# Altium PCB UZ_A_MAX11331_Daughter.PcbDoc (part 6 of 7)
Units mil, origin at the board's own origin, x right, y up, seen from the top; angles counter-clockwise.
Board outline 6811.03 x 3937.01 mil, 6 copper layers (Top Layer, GND, Signal 1, Signal 2, VCC, Bottom Layer), stack 32.112 mil thick; 537 components, 329 nets, 1705 pads, 572 vias.
Unrouted connection lines stored in the file: 272.
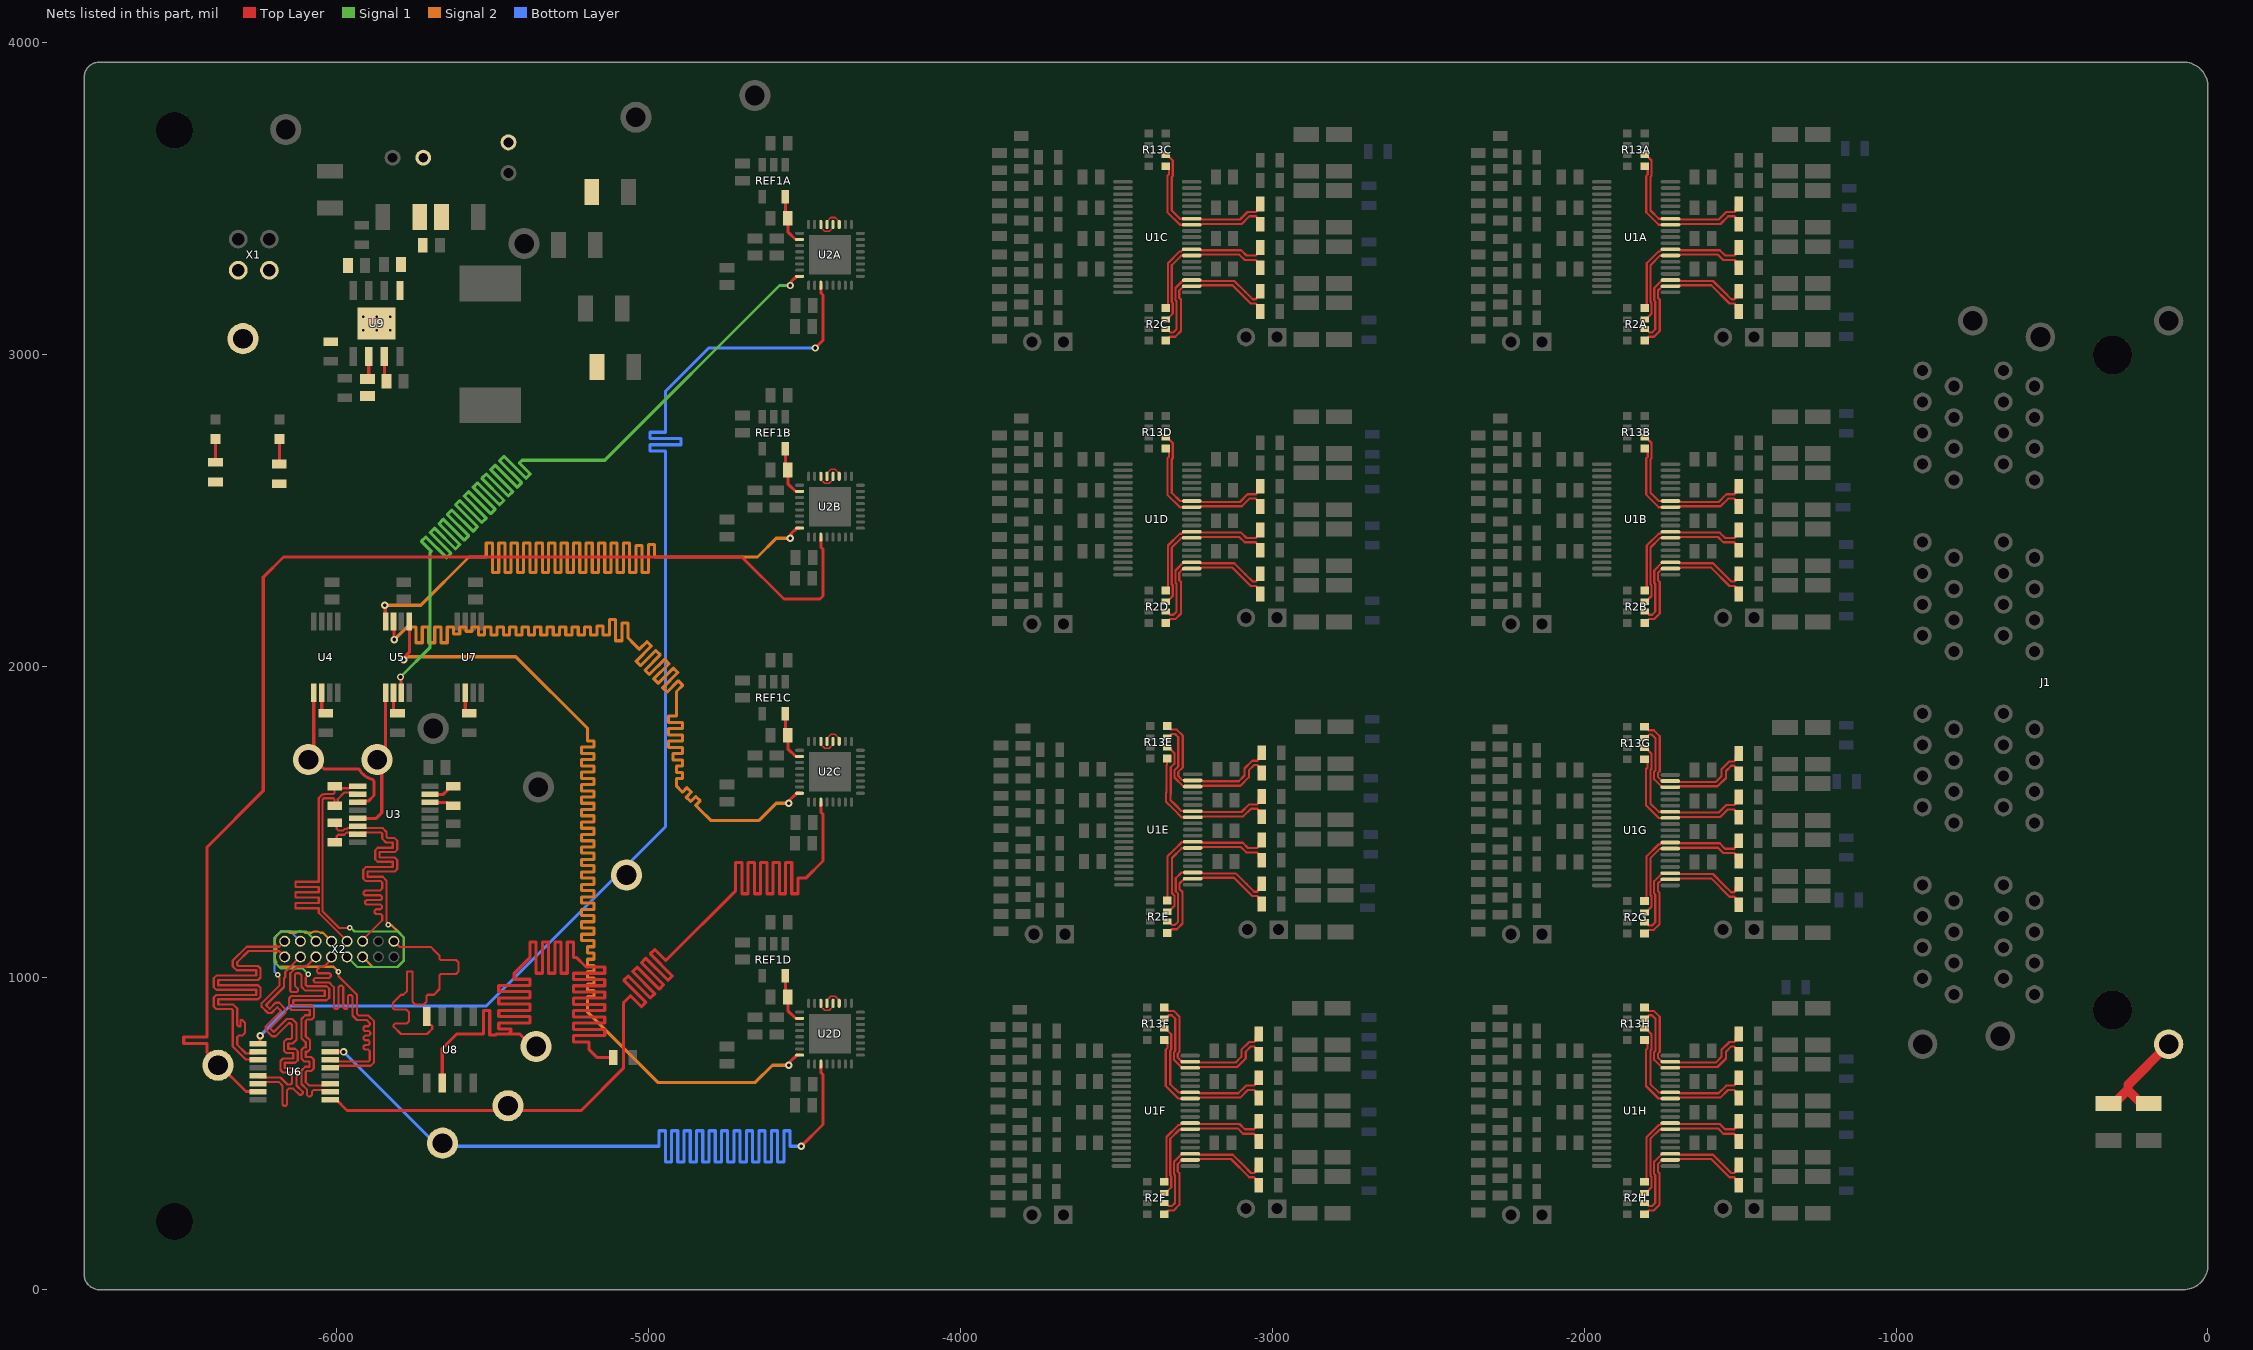
[diagram p10: the nets of this part, all layers, seen from the top]

## Via types
v1: diameter 17.72, hole 7.87, Top Layer to Bottom Layer, tented both sides, 359 vias
v2: diameter 23.62, hole 11.81, Top Layer to Bottom Layer, tented both sides, 171 vias
v3: diameter 27.56, hole 11.81, Top Layer to Bottom Layer, tented bottom, 32 vias
v4: diameter 19.68, hole 7.87, Top Layer to Bottom Layer, tented bottom, 6 vias
v5: diameter 51.18, hole 27.56, Top Layer to Bottom Layer, 4 vias

## Nets (pads, with @x,y where several pads share a name; then routed paths per layer and width w, separated by ;. In a path a pad name is that pad's centre, name@x,y a point inside that pad or via, vN(x,y) a via of type N, cw(c..) or ccw(c..) an arc to the next point about the centre after c; other vN are vias at no path point) (continued)
FB1E_N: R13E.3 R20E.1 U1E.17 | length 529
  Top Layer w7: R13E.3@-3336.82,1771.1 -3332.88,1771.1 -3326.54,1777.44 -3326.54,1778.21 -3322.44,1782.31 -3312.54,1782.31 -3301.85,1771.62 -3301.85,1678.15 -3314,1666 -3314,1642.41 -3286.13,1614.54 -3254.82,1614.54 -3253.9,1613.62 -3227,1613.62 -3224.16,1616.46 -3102.46,1616.46 -3075.6,1643.32 -3075.6,1665.59 -3058.65,1682.55 -3048.75,1682.55 -3044.65,1678.45 -3044.65,1667.33 R20E.1@-3034.37,1657.05
FB1E_P: R13E.4 R23E.1 U1E.18 | length 529.5
  Top Layer w7: R13E.4@-3336.82,1807.52 -3335.64,1807.52 -3324.43,1796.31 -3306.74,1796.31 -3287.85,1777.42 -3287.85,1675 -3302,1660.85 -3302,1647.38 -3288.85,1634.23 -3256.85,1634.23 U1E.18@-3255.93,1633.31 -3227,1633.31 -3224.16,1630.46 -3108.26,1630.46 -3089.6,1649.12 -3089.6,1671.39 -3064.45,1696.55 -3048.75,1696.55 -3044.65,1700.65 -3044.65,1711.77 R23E.1@-3034.37,1722.05
FB1F_N: R13F.3 R20F.1 U1F.17 | length 519.3
  Top Layer w7: R13F.3@-3346.86,869.06 -3342.93,869.06 -3336.58,875.4 -3336.58,876.16 -3332.48,880.26 -3322.58,880.26 -3311.9,869.57 -3311.9,765.93 -3315.94,761.88 -3315.94,737.29 -3290.22,711.57 U1F.17@-3263.94,711.57 -3237.05,711.57 -3234.21,714.42 -3112.51,714.42 -3085.65,741.27 -3085.65,763.54 -3068.69,780.5 -3058.8,780.5 -3054.69,776.4 -3054.69,765.28 R20F.1@-3044.42,755
FB1F_P: R13F.4 R23F.1 U1F.18 | length 518.2
  Top Layer w7: R13F.4@-3346.86,905.47 -3345.68,905.47 -3334.47,894.26 -3316.79,894.26 -3297.9,875.37 -3297.9,762.96 -3303.94,756.91 -3303.94,744.98 -3290.22,731.26 U1F.18@-3263.94,731.26 -3237.05,731.26 -3234.21,728.42 -3118.31,728.42 -3099.65,747.07 -3099.65,769.34 -3074.49,794.5 -3058.8,794.5 -3054.69,798.6 -3054.69,809.72 R23F.1@-3044.42,820
FB1G_N: R13G.3 R20G.1 U1G.17 | length 519.3
  Top Layer w7: R13G.3@-1806.86,1769.06 -1802.93,1769.06 -1796.58,1775.4 -1796.58,1776.16 -1792.48,1780.26 -1782.58,1780.26 -1771.9,1769.57 -1771.9,1665.93 -1775.94,1661.88 -1775.94,1637.29 -1750.22,1611.57 U1G.17@-1723.94,1611.57 -1697.05,1611.57 -1694.21,1614.42 -1572.51,1614.42 -1545.65,1641.27 -1545.65,1663.54 -1528.69,1680.5 -1518.8,1680.5 -1514.69,1676.4 -1514.69,1665.28 R20G.1@-1504.42,1655
FB1G_P: R13G.4 R23G.1 U1G.18 | length 518.2
  Top Layer w7: R13G.4@-1806.86,1805.47 -1805.68,1805.47 -1794.47,1794.26 -1776.79,1794.26 -1757.9,1775.37 -1757.9,1662.96 -1763.94,1656.91 -1763.94,1644.98 -1750.22,1631.26 U1G.18@-1723.94,1631.26 -1697.05,1631.26 -1694.21,1628.42 -1578.31,1628.42 -1559.65,1647.07 -1559.65,1669.34 -1534.49,1694.5 -1518.8,1694.5 -1514.69,1698.6 -1514.69,1709.72 R23G.1@-1504.42,1720
FB1H_N: R13H.3 R20H.1 U1H.17 | length 519.3
  Top Layer w7: R13H.3@-1806.86,869.06 -1802.93,869.06 -1796.58,875.4 -1796.58,876.16 -1792.48,880.26 -1782.58,880.26 -1771.9,869.57 -1771.9,765.93 -1775.94,761.88 -1775.94,737.29 -1750.22,711.57 U1H.17@-1723.94,711.57 -1697.05,711.57 -1694.21,714.42 -1572.51,714.42 -1545.65,741.27 -1545.65,763.54 -1528.69,780.5 -1518.8,780.5 -1514.69,776.4 -1514.69,765.28 R20H.1@-1504.42,755
FB1H_P: R13H.4 R23H.1 U1H.18 | length 518.2
  Top Layer w7: R13H.4@-1806.86,905.47 -1805.68,905.47 -1794.47,894.26 -1776.79,894.26 -1757.9,875.37 -1757.9,762.96 -1763.94,756.91 -1763.94,744.98 -1750.22,731.26 U1H.18@-1723.94,731.26 -1697.05,731.26 -1694.21,728.42 -1578.31,728.42 -1559.65,747.07 -1559.65,769.34 -1534.49,794.5 -1518.8,794.5 -1514.69,798.6 -1514.69,809.72 R23H.1@-1504.42,820
FB2A_N: R13A.1 R15A.1 U1A.12 | length 497
  Top Layer w7: R13A.1@-1806.39,3603.19 -1805.52,3603.19 -1796.42,3594.09 -1796.42,3576.91 -1801.47,3571.87 -1801.47,3455.49 -1761.18,3415.2 -1696.58,3415.2 -1693.74,3418.04 -1563.08,3418.04 -1538.57,3442.55 -1518.32,3442.55 -1514.22,3438.45 -1514.22,3427.33 R15A.1@-1503.94,3417.05
FB2A_P: R13A.2 R18A.1 U1A.13 | length 514.1
  Top Layer w7: R13A.2@-1806.39,3639.61 -1802.45,3639.61 -1784.11,3621.26 -1784.11,3572.25 -1787.47,3568.9 -1787.47,3461.29 -1761.06,3434.88 -1696.58,3434.88 -1693.74,3432.04 -1568.88,3432.04 -1544.37,3456.55 -1518.32,3456.55 -1514.22,3460.65 -1514.22,3471.77 R18A.1@-1503.94,3482.05
FB2B_N: R13B.1 R15B.1 U1B.12 | length 497
  Top Layer w7: R13B.1@-1806.39,2697.68 -1805.52,2697.68 -1796.42,2688.58 -1796.42,2671.4 -1801.47,2666.36 -1801.47,2549.98 -1761.18,2509.68 -1696.58,2509.68 -1693.74,2512.53 -1563.08,2512.53 -1538.57,2537.04 -1518.32,2537.04 -1514.22,2532.93 -1514.22,2521.82 R15B.1@-1503.94,2511.54
FB2B_P: R13B.2 R18B.1 U1B.13 | length 514.1
  Top Layer w7: R13B.2@-1806.39,2734.09 -1802.45,2734.09 -1784.11,2715.75 -1784.11,2666.74 -1787.47,2663.39 -1787.47,2555.78 -1761.06,2529.37 -1696.58,2529.37 -1693.74,2526.53 -1568.88,2526.53 -1544.37,2551.04 -1518.32,2551.04 -1514.22,2555.14 -1514.22,2566.26 R18B.1@-1503.94,2576.54
FB2C_N: R13C.1 R15C.1 U1C.12 | length 497
  Top Layer w7: R13C.1@-3341.82,3603.19 -3340.95,3603.19 -3331.86,3594.09 -3331.86,3576.91 -3336.9,3571.87 -3336.9,3455.49 -3296.61,3415.2 -3232.01,3415.2 -3229.17,3418.04 -3098.51,3418.04 -3074,3442.55 -3053.76,3442.55 -3049.66,3438.45 -3049.66,3427.33 R15C.1@-3039.38,3417.05
FB2C_P: R13C.2 R18C.1 U1C.13 | length 514.1
  Top Layer w7: R13C.2@-3341.82,3639.61 -3337.89,3639.61 -3319.55,3621.26 -3319.55,3572.25 -3322.9,3568.9 -3322.9,3461.29 -3296.49,3434.88 -3232.01,3434.88 -3229.17,3432.04 -3104.31,3432.04 -3079.8,3456.55 -3053.76,3456.55 -3049.66,3460.65 -3049.66,3471.77 R18C.1@-3039.38,3482.05
FB2D_N: R13D.1 R15D.1 U1D.12 | length 497
  Top Layer w7: R13D.1@-3341.82,2697.68 -3340.95,2697.68 -3331.86,2688.58 -3331.86,2671.4 -3336.9,2666.36 -3336.9,2549.98 -3296.61,2509.68 -3232.01,2509.68 -3229.17,2512.53 -3098.51,2512.53 -3074,2537.04 -3053.76,2537.04 -3049.66,2532.93 -3049.66,2521.82 R15D.1@-3039.38,2511.54
FB2D_P: R13D.2 R18D.1 U1D.13 | length 514.1
  Top Layer w7: R13D.2@-3341.82,2734.09 -3337.89,2734.09 -3319.55,2715.75 -3319.55,2666.74 -3322.9,2663.39 -3322.9,2555.78 -3296.49,2529.37 -3232.01,2529.37 -3229.17,2526.53 -3104.31,2526.53 -3079.8,2551.04 -3053.76,2551.04 -3049.66,2555.14 -3049.66,2566.26 R18D.1@-3039.38,2576.54
FB2E_N: R13E.1 R15E.1 U1E.12 | length 496.1
  Top Layer w7: R13E.1@-3336.82,1703.19 -3338,1702.01 -3338,1683.41 -3340,1681.41 -3340,1596.42 -3341.36,1595.06 -3341.36,1564.94 -3320.06,1543.64 ; -3320.04,1543.64 -3291.6,1515.2 -3227,1515.2 -3224.16,1518.04 -3093.5,1518.04 -3068.99,1542.55 -3048.75,1542.55 -3044.65,1538.45 -3044.65,1527.33 R15E.1@-3034.37,1517.05
FB2E_P: R13E.2 R18E.1 U1E.13 | length 522
  Top Layer w7: R13E.2@-3336.82,1739.61 -3332.88,1739.61 -3314.54,1721.26 -3314.54,1687.07 -3326,1675.61 -3326,1590.62 -3327.36,1589.26 -3327.36,1570.74 -3314.26,1557.64 ; -3314.25,1557.64 -3291.49,1534.88 -3227,1534.88 -3224.16,1532.04 -3099.3,1532.04 -3074.79,1556.55 -3048.75,1556.55 -3044.65,1560.65 -3044.65,1571.77 R18E.1@-3034.37,1582.05
FB2F_N: R13F.1 R15F.1 U1F.12 | length 497
  Top Layer w7: R13F.1@-3346.86,801.14 -3345.99,801.14 -3336.9,792.04 -3336.9,774.87 -3341.94,769.82 -3341.94,653.44 -3301.65,613.15 -3237.05,613.15 -3234.21,615.99 -3103.55,615.99 -3079.04,640.5 -3058.8,640.5 -3054.69,636.4 -3054.69,625.28 R15F.1@-3044.42,615
FB2F_P: R13F.2 R18F.1 U1F.13 | length 514.1
  Top Layer w7: R13F.2@-3346.86,837.56 -3342.93,837.56 -3324.58,819.22 -3324.58,770.21 -3327.94,766.85 -3327.94,659.24 -3301.53,632.83 -3237.05,632.83 -3234.21,629.99 -3109.35,629.99 -3084.84,654.5 -3058.8,654.5 -3054.69,658.6 -3054.69,669.72 R18F.1@-3044.42,680
FB2G_N: R13G.1 R15G.1 U1G.12 | length 497
  Top Layer w7: R13G.1@-1806.86,1701.14 -1805.99,1701.14 -1796.9,1692.04 -1796.9,1674.87 -1801.94,1669.82 -1801.94,1553.44 -1761.65,1513.15 -1697.05,1513.15 -1694.21,1515.99 -1563.55,1515.99 -1539.04,1540.5 -1518.8,1540.5 -1514.69,1536.4 -1514.69,1525.28 R15G.1@-1504.42,1515
FB2G_P: R13G.2 R18G.1 U1G.13 | length 514.1
  Top Layer w7: R13G.2@-1806.86,1737.56 -1802.93,1737.56 -1784.58,1719.22 -1784.58,1670.21 -1787.94,1666.85 -1787.94,1559.24 -1761.53,1532.83 -1697.05,1532.83 -1694.21,1529.99 -1569.35,1529.99 -1544.84,1554.5 -1518.8,1554.5 -1514.69,1558.6 -1514.69,1569.72 R18G.1@-1504.42,1580
FB2H_N: R13H.1 R15H.1 U1H.12 | length 497
  Top Layer w7: R13H.1@-1806.86,801.14 -1805.99,801.14 -1796.9,792.04 -1796.9,774.87 -1801.94,769.82 -1801.94,653.44 -1761.65,613.15 -1697.05,613.15 -1694.21,615.99 -1563.55,615.99 -1539.04,640.5 -1518.8,640.5 -1514.69,636.4 -1514.69,625.28 R15H.1@-1504.42,615
FB2H_P: R13H.2 R18H.1 U1H.13 | length 514.1
  Top Layer w7: R13H.2@-1806.86,837.56 -1802.93,837.56 -1784.58,819.22 -1784.58,770.21 -1787.94,766.85 -1787.94,659.24 -1761.53,632.83 -1697.05,632.83 -1694.21,629.99 -1569.35,629.99 -1544.84,654.5 -1518.8,654.5 -1514.69,658.6 -1514.69,669.72 R18H.1@-1504.42,680
FB3A_N: R2A.3 R9A.1 U1A.7 | length 508.4
  Top Layer w7: R2A.3@-1806.39,3112.05 -1802.45,3112.05 -1784.11,3130.39 -1784.11,3164.58 -1787.47,3167.94 -1787.47,3285.95 -1757.45,3315.96 -1724.28,3315.96 U1A.7@-1723.47,3316.77 -1696.58,3316.77 -1693.74,3319.61 -1570.86,3319.61 -1553.79,3302.55 -1518.32,3302.55 -1514.22,3298.45 -1514.22,3287.33 R9A.1@-1503.94,3277.05
FB3A_P: R2A.4 R12A.1 U1A.8 | length 485.6
  Top Layer w7: R2A.4@-1806.39,3148.46 -1799.47,3155.39 -1799.47,3291.96 -1761.46,3329.96 -1756.86,3329.96 -1750.36,3336.46 U1A.8@-1723.47,3336.46 -1696.58,3336.46 -1693.74,3333.61 -1565.06,3333.61 -1547.99,3316.55 -1518.32,3316.55 -1514.22,3320.65 -1514.22,3331.77 R12A.1@-1503.94,3342.05
FB3B_N: R2B.3 R9B.1 U1B.7 | length 508.4
  Top Layer w7: R2B.3@-1806.39,2206.54 -1802.45,2206.54 -1784.11,2224.88 -1784.11,2259.07 -1787.47,2262.43 -1787.47,2380.44 -1757.45,2410.45 -1724.28,2410.45 U1B.7@-1723.47,2411.26 -1696.58,2411.26 -1693.74,2414.1 -1570.86,2414.1 -1553.79,2397.04 -1518.32,2397.04 -1514.22,2392.93 -1514.22,2381.82 R9B.1@-1503.94,2371.54
FB3B_P: R2B.4 R12B.1 U1B.8 | length 485.6
  Top Layer w7: R2B.4@-1806.39,2242.95 -1799.47,2249.88 -1799.47,2386.44 -1761.46,2424.45 -1756.86,2424.45 -1750.36,2430.94 U1B.8@-1723.47,2430.94 -1696.58,2430.94 -1693.74,2428.1 -1565.06,2428.1 -1547.99,2411.04 -1518.32,2411.04 -1514.22,2415.14 -1514.22,2426.26 R12B.1@-1503.94,2436.54
FB3C_N: R2C.3 R9C.1 U1C.7 | length 508.4
  Top Layer w7: R2C.3@-3341.82,3112.05 -3337.89,3112.05 -3319.55,3130.39 -3319.55,3164.58 -3322.9,3167.94 -3322.9,3285.95 -3292.89,3315.96 -3259.71,3315.96 U1C.7@-3258.9,3316.77 -3232.01,3316.77 -3229.17,3319.61 -3106.29,3319.61 -3089.22,3302.55 -3053.76,3302.55 -3049.66,3298.45 -3049.66,3287.33 R9C.1@-3039.38,3277.05
FB3C_P: R2C.4 R12C.1 U1C.8 | length 485.6
  Top Layer w7: R2C.4@-3341.82,3148.46 -3334.9,3155.39 -3334.9,3291.96 -3296.89,3329.96 -3292.29,3329.96 -3285.8,3336.46 U1C.8@-3258.9,3336.46 -3232.01,3336.46 -3229.17,3333.61 -3100.49,3333.61 -3083.42,3316.55 -3053.76,3316.55 -3049.66,3320.65 -3049.66,3331.77 R12C.1@-3039.38,3342.05
FB3D_N: R2D.3 R9D.1 U1D.7 | length 508.4
  Top Layer w7: R2D.3@-3341.82,2206.54 -3337.89,2206.54 -3319.55,2224.88 -3319.55,2259.07 -3322.9,2262.43 -3322.9,2380.44 -3292.89,2410.45 -3259.71,2410.45 U1D.7@-3258.9,2411.26 -3232.01,2411.26 -3229.17,2414.1 -3106.29,2414.1 -3089.22,2397.04 -3053.76,2397.04 -3049.66,2392.93 -3049.66,2381.82 R9D.1@-3039.38,2371.54
FB3D_P: R2D.4 R12D.1 U1D.8 | length 485.6
  Top Layer w7: R2D.4@-3341.82,2242.95 -3334.9,2249.88 -3334.9,2386.44 -3296.89,2424.45 -3292.29,2424.45 -3285.8,2430.94 U1D.8@-3258.9,2430.94 -3232.01,2430.94 -3229.17,2428.1 -3100.49,2428.1 -3083.42,2411.04 -3053.76,2411.04 -3049.66,2415.14 -3049.66,2426.26 R12D.1@-3039.38,2436.54
FB3E_N: R2E.3 R9E.1 U1E.7 | length 513.8
  Top Layer w7: R2E.3@-3336.82,1212.05 -3332.88,1212.05 -3314.54,1230.39 -3314.54,1264.58 -3322.36,1272.4 -3322.36,1384.26 -3290.66,1415.96 -3254.7,1415.96 -3253.9,1416.77 -3227,1416.77 -3224.16,1419.61 -3101.28,1419.61 -3084.21,1402.55 -3048.75,1402.55 -3044.65,1398.45 -3044.65,1387.33 R9E.1@-3034.37,1377.05
FB3E_P: R2E.4 R12E.1 U1E.8 | length 488.3
  Top Layer w7: R2E.4@-3336.82,1248.46 -3336.36,1248.92 -3336.36,1390.06 -3315.06,1411.36 -3290.34,1436.08 -3254.27,1436.08 -3253.9,1436.46 -3227,1436.46 -3224.16,1433.61 -3095.48,1433.61 -3078.42,1416.55 -3048.75,1416.55 -3044.65,1420.65 -3044.65,1431.77 R12E.1@-3034.37,1442.05
FB3F_N: R2F.3 R9F.1 U1F.7 | length 508.4
  Top Layer w7: R2F.3@-3346.86,310 -3342.93,310 -3324.58,328.34 -3324.58,362.54 -3327.94,365.89 -3327.94,483.9 -3297.93,513.92 -3264.75,513.92 U1F.7@-3263.94,514.72 -3237.05,514.72 -3234.21,517.57 -3111.33,517.57 -3094.26,500.5 -3058.8,500.5 -3054.69,496.4 -3054.69,485.28 R9F.1@-3044.42,475
FB3F_P: R2F.4 R12F.1 U1F.8 | length 485.6
  Top Layer w7: R2F.4@-3346.86,346.42 -3339.94,353.34 -3339.94,489.91 -3301.93,527.92 -3297.33,527.92 -3290.84,534.41 U1F.8@-3263.94,534.41 -3237.05,534.41 -3234.21,531.57 -3105.53,531.57 -3088.46,514.5 -3058.8,514.5 -3054.69,518.6 -3054.69,529.72 R12F.1@-3044.42,540
FB3G_N: R2G.3 R9G.1 U1G.7 | length 508.4
  Top Layer w7: R2G.3@-1806.86,1210 -1802.93,1210 -1784.58,1228.34 -1784.58,1262.54 -1787.94,1265.89 -1787.94,1383.9 -1757.93,1413.92 -1724.75,1413.92 U1G.7@-1723.94,1414.72 -1697.05,1414.72 -1694.21,1417.57 -1571.33,1417.57 -1554.26,1400.5 -1518.8,1400.5 -1514.69,1396.4 -1514.69,1385.28 R9G.1@-1504.42,1375
FB3G_P: R2G.4 R12G.1 U1G.8 | length 485.6
  Top Layer w7: R2G.4@-1806.86,1246.42 -1799.94,1253.34 -1799.94,1389.91 -1761.93,1427.92 -1757.33,1427.92 -1750.84,1434.41 U1G.8@-1723.94,1434.41 -1697.05,1434.41 -1694.21,1431.57 -1565.53,1431.57 -1548.46,1414.5 -1518.8,1414.5 -1514.69,1418.6 -1514.69,1429.72 R12G.1@-1504.42,1440
FB3H_N: R2H.3 R9H.1 U1H.7 | length 508.4
  Top Layer w7: R2H.3@-1806.86,310 -1802.93,310 -1784.58,328.34 -1784.58,362.54 -1787.94,365.89 -1787.94,483.9 -1757.93,513.92 -1724.75,513.92 U1H.7@-1723.94,514.72 -1697.05,514.72 -1694.21,517.57 -1571.33,517.57 -1554.26,500.5 -1518.8,500.5 -1514.69,496.4 -1514.69,485.28 R9H.1@-1504.42,475
FB3H_P: R2H.4 R12H.1 U1H.8 | length 485.6
  Top Layer w7: R2H.4@-1806.86,346.42 -1799.94,353.34 -1799.94,489.91 -1761.93,527.92 -1757.33,527.92 -1750.84,534.41 U1H.8@-1723.94,534.41 -1697.05,534.41 -1694.21,531.57 -1565.53,531.57 -1548.46,514.5 -1518.8,514.5 -1514.69,518.6 -1514.69,529.72 R12H.1@-1504.42,540
FB4A_N: R2A.1 R4A.1 U1A.2 | length 501
  Top Layer w7: R2A.1@-1806.39,3044.13 -1805.21,3044.13 -1793.19,3056.15 -1776.31,3056.15 -1758.11,3074.35 -1758.11,3175.35 -1763.47,3180.71 -1763.47,3204.63 -1749.75,3218.35 U1A.2@-1723.47,3218.35 -1696.58,3218.35 -1693.74,3221.19 -1592.66,3221.19 -1534.02,3162.55 -1518.32,3162.55 -1514.22,3158.45 -1514.22,3147.33 R4A.1@-1503.94,3137.05
FB4A_P: R2A.2 R7A.1 U1A.3 | length 501
  Top Layer w7: R2A.2@-1806.39,3080.55 -1802.45,3080.55 -1792.05,3070.15 -1782.11,3070.15 -1772.11,3080.15 -1772.11,3169.55 -1775.47,3172.91 -1775.47,3212.31 -1749.75,3238.03 U1A.3@-1723.47,3238.03 -1696.58,3238.03 -1693.74,3235.19 -1586.86,3235.19 -1551.97,3200.3 -1528.22,3176.55 -1518.32,3176.55 -1514.22,3180.65 -1514.22,3191.77 R7A.1@-1503.94,3202.05
FB4B_N: R2B.1 R4B.1 U1B.2 | length 501
  Top Layer w7: R2B.1@-1806.39,2138.62 -1805.21,2138.62 -1793.19,2150.64 -1776.31,2150.64 -1758.11,2168.84 -1758.11,2269.84 -1763.47,2275.2 -1763.47,2299.12 -1749.75,2312.83 U1B.2@-1723.47,2312.83 -1696.58,2312.83 -1693.74,2315.68 -1592.66,2315.68 -1534.02,2257.04 -1518.32,2257.04 -1514.22,2252.93 -1514.22,2241.82 R4B.1@-1503.94,2231.54
FB4B_P: R2B.2 R7B.1 U1B.3 | length 501
  Top Layer w7: R2B.2@-1806.39,2175.04 -1802.45,2175.04 -1792.05,2164.64 -1782.11,2164.64 -1772.11,2174.64 -1772.11,2264.04 -1775.47,2267.4 -1775.47,2306.8 -1749.75,2332.52 U1B.3@-1723.47,2332.52 -1696.58,2332.52 -1693.74,2329.68 -1586.86,2329.68 -1551.97,2294.79 -1528.22,2271.04 -1518.32,2271.04 -1514.22,2275.14 -1514.22,2286.26 R7B.1@-1503.94,2296.54
FB4C_N: R2C.1 R4C.1 U1C.2 | length 501
  Top Layer w7: R2C.1@-3341.82,3044.13 -3340.64,3044.13 -3328.63,3056.15 -3311.75,3056.15 -3293.55,3074.35 -3293.55,3175.35 -3298.9,3180.71 -3298.9,3204.63 -3285.18,3218.35 U1C.2@-3258.9,3218.35 -3232.01,3218.35 -3229.17,3221.19 -3128.1,3221.19 -3069.45,3162.55 -3053.76,3162.55 -3049.66,3158.45 -3049.66,3147.33 R4C.1@-3039.38,3137.05
FB4C_P: R2C.2 R7C.1 U1C.3 | length 501
  Top Layer w7: R2C.2@-3341.82,3080.55 -3337.89,3080.55 -3327.49,3070.15 -3317.55,3070.15 -3307.55,3080.15 -3307.55,3169.55 -3310.9,3172.91 -3310.9,3212.31 -3285.18,3238.03 U1C.3@-3258.9,3238.03 -3232.01,3238.03 -3229.17,3235.19 -3122.3,3235.19 -3087.41,3200.3 -3063.66,3176.55 -3053.76,3176.55 -3049.66,3180.65 -3049.66,3191.77 R7C.1@-3039.38,3202.05
FB4D_N: R2D.1 R4D.1 U1D.2 | length 501
  Top Layer w7: R2D.1@-3341.82,2138.62 -3340.64,2138.62 -3328.63,2150.64 -3311.75,2150.64 -3293.55,2168.84 -3293.55,2269.84 -3298.9,2275.2 -3298.9,2299.12 -3285.18,2312.83 U1D.2@-3258.9,2312.83 -3232.01,2312.83 -3229.17,2315.68 -3128.1,2315.68 -3069.45,2257.04 -3053.76,2257.04 -3049.66,2252.93 -3049.66,2241.82 R4D.1@-3039.38,2231.54
FB4D_P: R2D.2 R7D.1 U1D.3 | length 501
  Top Layer w7: R2D.2@-3341.82,2175.04 -3337.89,2175.04 -3327.49,2164.64 -3317.55,2164.64 -3307.55,2174.64 -3307.55,2264.04 -3310.9,2267.4 -3310.9,2306.8 -3285.18,2332.52 U1D.3@-3258.9,2332.52 -3232.01,2332.52 -3229.17,2329.68 -3122.3,2329.68 -3087.41,2294.79 -3063.66,2271.04 -3053.76,2271.04 -3049.66,2275.14 -3049.66,2286.26 R7D.1@-3039.38,2296.54
FB4E_N: R2E.1 R4E.1 U1E.2 | length 505.6
  Top Layer w7: R2E.1@-3336.82,1144.13 -3335.64,1144.13 -3323.62,1156.15 -3306.74,1156.15 -3288.54,1174.35 -3288.54,1275.35 -3298,1284.82 -3298,1302.55 -3282.2,1318.35 -3227,1318.35 -3224.16,1321.19 -3123.09,1321.19 -3064.45,1262.55 -3048.75,1262.55 -3044.65,1258.45 -3044.65,1247.33 R4E.1@-3034.37,1237.05
FB4E_P: R2E.2 R7E.1 U1E.3 | length 511.3
  Top Layer w7: R2E.2@-3336.82,1180.55 -3332.88,1180.55 -3322.48,1170.15 -3312.54,1170.15 -3302.54,1180.15 -3302.54,1269.55 -3310,1277.02 -3310,1320 -3291.97,1338.03 -3227,1338.03 -3224.16,1335.19 -3117.29,1335.19 -3082.4,1300.3 -3058.65,1276.55 -3048.75,1276.55 -3044.65,1280.65 -3044.65,1291.77 R7E.1@-3034.37,1302.05
FB4F_N: R2F.1 R4F.1 U1F.2 | length 501
  Top Layer w7: R2F.1@-3346.86,242.09 -3345.68,242.09 -3333.67,254.1 -3316.79,254.1 -3298.58,272.3 -3298.58,373.31 -3303.94,378.66 -3303.94,402.58 -3290.22,416.3 U1F.2@-3263.94,416.3 -3237.05,416.3 -3234.21,419.14 -3133.14,419.14 -3074.49,360.5 -3058.8,360.5 -3054.69,356.4 -3054.69,345.28 R4F.1@-3044.42,335